# Altium PCB BitFury.PcbDoc (part 3 of 4)
Units mm, origin at the board's own origin, x right, y up, seen from the top; angles counter-clockwise.
Board outline 90.25 x 131.5 mm, 4 copper layers (Top Layer, Mid-Top Layer, Mid-Bottom Layer, Bottom Layer); 611 components, 148 nets, 2252 pads, 2038 vias.
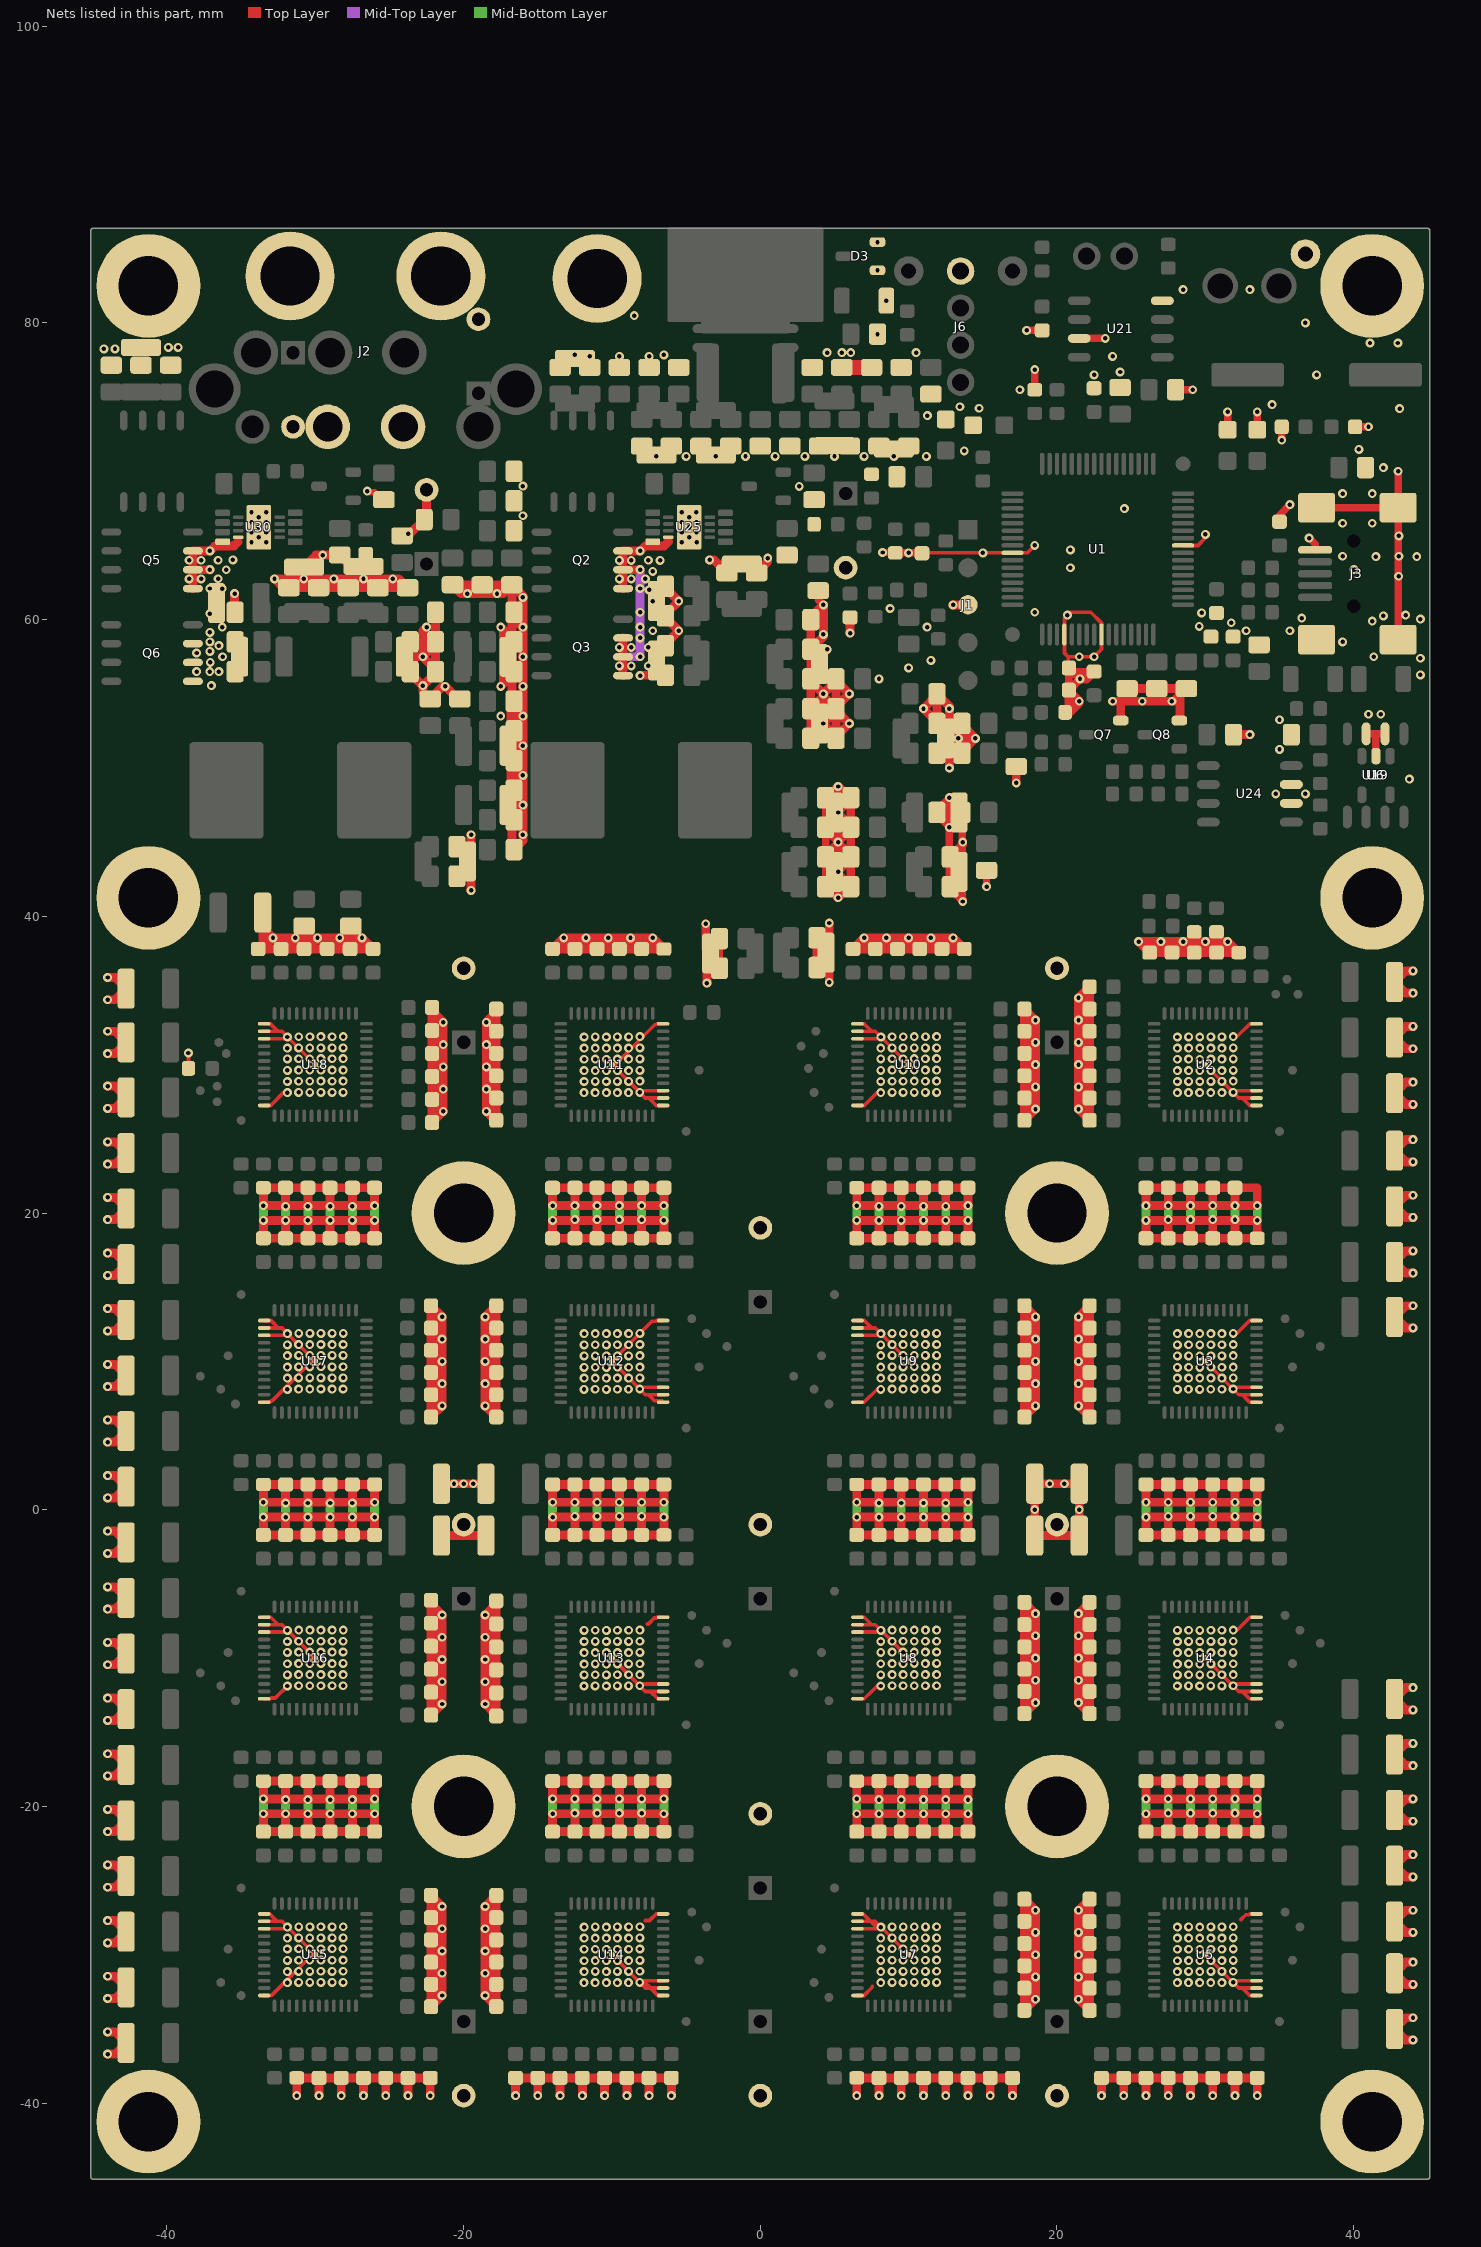
[diagram p5: the nets of this part, all layers, seen from the top]

## Via types
v1: diameter 0.6, hole 0.3, Top Layer to Bottom Layer, tented both sides, 1462 vias
v2: diameter 0.6, hole 0.3, Top Layer to Bottom Layer, 576 vias

## Nets (pads, with @x,y where several pads share a name; then routed paths per layer and width w, separated by ;. In a path a pad name is that pad's centre, name@x,y a point inside that pad or via, vN(x,y) a via of type N, cw(c..) or ccw(c..) an arc to the next point about the centre after c; other vN are vias at no path point) (continued)
GND: C2.2 C3.2 C4.2 C5.2 C6.2 C7.2 C8.2 C9.2 C11.2 C12.2 C13.1 C14.1 C15.1 C16.1 C17.2 C18.1 C19.1 C20.1 C21.1 C22.1 C23.1 C24.1 C25.1 C26.1 C27.1 C28.1 C29.1 C30.2 C32.2 C33.2 C34.2 C35.2 C36.2 C37.2 C39.2 C40.2 C41.2 C42.2 C43.2 C44.2 C46.2 C48.2 C49.2 C50.2 C51.2 C52.2 C53.2 C54.2 C55.2 C56.2 C57.2 C58.2 C60.2 C61.2 C62.2 C63.2 C64.2 C66.2 C67.2 C68.2 C69.2 C70.2 C71.2 C72.2 C73.2 C74.2 C75.2 C76.2 C77.2 C78.2 C79.2 C80.2 C81.2 C82.2 C83.2 C84.2 C85.2 C86.2 C87.2 C88.2 C89.2 C90.2 C91.2 C92.2 C93.2 C94.2 C95.2 C96.2 C97.2 C98.2 C100.2 C102.2 C103.2 C105.2 C106.2 C107.2 C108.2 C109.2 C110.2 C111.2 C112.2 C113.2 C114.2 C115.2 C116.2 C117.2 C118.2 C119.2 C120.2 C121.2 C122.2 C123.2 C124.2 C125.2 C126.2 C127.2 C128.2 C129.2 C130.2 C131.2 C132.2 C133.2 C134.2 C135.2 C136.2 C137.2 C138.2 C139.2 C140.2 C142.2 C144.2 C145.2 C146.2 C148.2 C149.2 C150.2 C152.2 C153.2 C154.2 C155.2 C156.2 C157.2 C158.2 C159.2 C160.2 C161.2 C162.2 C163.2 C164.2 C165.2 C166.2 C167.2 C169.2 C170.2 C171.2 C172.2 C173.2 C174.2 C175.2 C176.2 C177.2 C178.2 C179.2 C180.2 C181.2 C182.2 C183.2 C184.2 C185.2 C187.2 C188.1 C190.2 C191.2 C192.2 C193.2 C195.2 C196.2 C197.2 C198.2 C199.2 C200.2 C201.2 C202.2 C203.2 C204.2 C205.2 C206.1 C207.2 C208.2 C210.2 C211.2 C213.2 C214.2 C215.2 C216.2 C217.2 C218.2 C219.2 C220.2 C221.2 C222.2 C223.2 C224.2 C225.2 C226.2 C227.2 C228.2 C229.2 C231.2 C233.2 C234.2 C237.2 C238.2 C239.2 C240.2 C241.2 C242.2 C243.2 C244.2 C245.2 C246.2 C247.2 C248.2 C249.2 C250.2 C251.2 C252.2 C253.1 C254.1 C255.2 C256.2 C257.2 C258.2 C259.2 C260.2 C261.2 C262.2 C263.2 C264.2 C265.2 C266.2 C267.2 C268.2 C269.2 C270.2 C271.2 C272.2 C273.2 C274.2 C275.2 C276.2 C277.2 C278.2 C279.2 C280.2 C281.2 C282.2 C283.2 C284.2 C285.2 C286.2 C287.2 C288.2 C289.2 C290.2 C291.2 C292.2 C293.2 C294.2 C295.2 C296.2 C297.2 C298.2 C299.2 C300.2 C301.2 C302.2 C303.2 C304.2 C305.2 C306.2 C307.2 C308.1 C309.2 C311.2 C313.2 C314.2 C315.2 C316.2 C317.2 C318.2 C319.2 C320.2 C321.2 C322.2 C323.2 C324.2 C325.2 C326.2 C327.2 C328.2 C329.2 C330.2 C331.2 C332.2 C333.2 C334.2 C335.2 C336.2 C337.2 C338.2 C339.2 C340.2 C341.2 C342.2 C343.2 C344.2 C345.2 C346.2 C347.2 C348.2 C349.2 C351.2 C352.2 C353.2 C355.2 C356.2 C358.2 C359.2 C360.2 C361.2 C362.2 C363.2 C364.2 C365.2 C366.2 C367.2 C368.2 C369.2 C370.2 C371.2 C372.2 C373.2 C374.2 C375.2 C376.2 C377.2 C378.2 C379.2 C380.2 C381.2 C382.2 C383.2 C384.2 C385.2 C386.2 C387.2 C388.1 C389.1 C390.1 C391.1 C392.1 C393.1 C394.1 C395.1 C396.1 C397.1 C398.1 C399.1 C400.1 C401.1 C402.1 C403.1 C404.1 C405.1 C406.1 C407.1 C408.1 C409.1 C410.1 C411.1 C412.1 C413.1 C414.1 C415.1 C416.1 C417.1 C418.1 C419.1 C420.1 C421.1 C422.1 C423.1 C424.1 C427.1 C428.1 C429.1 C430.1 C431.1 C432.1 C433.1 C434.1 C435.1 C436.1 C439.1 C440.1 C441.1 C442.1 C443.1 C444.1 C445.1 C446.1 C447.1 C448.1 C449.1 C450.1 C451.1 C452.1 C453.1 C454.1 C455.1 C456.1 C457.1 C458.1 C459.1 C460.1 C461.1 C462.1 C463.1 C464.1 C465.1 C466.1 C467.1 C468.1 C469.1 C470.1 C471.1 C472.1 C475.1 C476.1 C477.1 C478.1 C479.1 C480.1 C481.1 C482.1 C483.1 C489.2 C491.2 C493.2 C494.2 C495.2 C501.2 C503.2 C504.2 C505.2 C506.2 C507.2 C508.2 C509.2 C510.2 C511.2 C512.2 C513.2 C514.2 C515.2 C516.2 C517.2 C518.2 C519.2 C520.2 C521.2 C522.2 C523.2 C524.2 C525.2 C526.2 C527.2 C528.2 C529.2 C530.2 C531.2 C532.2 C533.2 C534.2 C535.2 C536.2 D3.1 D3.2 D4.1 D5.1 D6.1 D7.1 J1.3 J2.2 J2.3 J3.5 J3.6 J3.7 J3.8 J3.9 J6.1 pad.0@20,20 pad.0@20,-20 pad.0@36.75,84.642 pad.0@41.25,41.25 pad.0@41.25,82.5 pad.0@41.25,-41.25 pad.0@-11,83 pad.0@-20,20 pad.0@-20,-20 pad.0@-41.25,41.25 pad.0@-41.25,82.5 pad.0@-41.25,-41.25 Q2.1 Q2.2 Q2.3 Q3.1 Q3.2 Q3.3 Q5.1 Q5.2 Q5.3 Q6.1 Q6.2 Q6.3 Q7.2 Q8.2 R4.1 R6.1 R14.1 R15.1 R17.2 R24.1 R25.1 R26.1 R27.1 R40.1 R45.1 R59.1 R60.1 R61.1 R79.1 R80.1 R81.1 R82.1 R103.1 R104.1 R105.1 R106.1 R127.1 R128.1 R129.1 R130.1 U1.9 U1.20 U1.25 U1.41 U2.1 U2.2 U2.3 U2.12 U2.49 U3.1 U3.2 U3.3 U3.12 U3.49 U4.1 U4.2 U4.3 U4.12 U4.49 U5.1 U5.2 U5.3 U5.12 U5.49 U6.2 U7.1 U7.2 U7.3 U7.12 U7.49 U8.1 U8.2 U8.3 U8.12 U8.49 U9.1 U9.2 U9.3 U9.12 U9.49 U10.1 U10.2 U10.3 U10.12 U10.49 U11.1 U11.2 U11.3 U11.12 U11.49 U12.1 U12.2 U12.3 U12.12 U12.49 U13.1 U13.2 U13.3 U13.12 U13.49 U14.1 U14.2 U14.3 U14.12 U14.49 U15.1 U15.2 U15.3 U15.12 U15.49 U16.1 U16.2 U16.3 U16.12 U16.49 U17.1 U17.2 U17.3 U17.12 U17.49 U18.1 U18.2 U18.3 U18.12 U18.49 U19.6 U19.7 U21.3 U21.8 U24.6 U24.7 U25.4 U25.9 U30.4 U30.9 | length 1825.1
  Top Layer w0.25: R17.2@-38.55,29.75 v1(-38.55,30.787) ; U15.12@-33.525,-32.75 -33.009,-32.75 -32.973,-32.714 -32.92,-32.714 -30.206,-30 U15.49@-30,-30 v2@-31.75,-28.25 ; U15.3@-33.525,-28.25 v2@-31.75,-28.25 ; U15.2@-33.525,-27.75 -32.25,-27.75 ; U15.1@-33.525,-27.25 -33.073,-27.25 -32.573,-27.75 -32.25,-27.75 ; U16.3@-33.525,-8.25 v2@-31.75,-8.25 ; U16.2@-33.525,-7.75 -32.25,-7.75 ; U16.1@-33.525,-7.25 -33,-7.25 -32.5,-7.75 -32.25,-7.75 ; U17.12@-33.525,7.25 -33.041,7.25 -32.939,7.352 -32.885,7.352 -30.237,10 U17.49@-30,10 v2@-31.75,11.75 ; U17.3@-33.525,11.75 v2@-31.75,11.75 ; U17.2@-33.525,12.25 -32.5,12.25 ; U18.3@-33.525,31.75 v2@-31.75,31.75 ; U18.2@-33.525,32.25 -32.515,32.25 ; U16.12@-33.45,-12.75 -33.023,-12.75 -32.973,-12.7 -32.695,-12.7 v2(-31.88,-11.885) ; U17.1@-33.45,12.75 -33,12.75 -32.993,12.757 -32.5,12.264 -32.5,12.25 ; U18.12@-33.45,27.25 -33.015,27.25 ; U18.1@-33.45,32.75 -33.015,32.75 -32.515,32.25 ; -32.939,27.31 -32.134,28.115 v2(-31.88,28.115) ; -30.237,-10 U16.49@-30,-10 v2@-31.75,-8.25 ; U18.49@-30,30 v2@-31.75,31.75 ; U14.49@-10,-30 v2@-8.25,-31.75 ; U13.49@-10,-10 v2@-8.25,-11.75 ; -7.75,-27.7 -7.464,-27.7 -7.014,-27.25 U14.12@-6.55,-27.25 ; -7.629,-7.7 -7.546,-7.7 -7.146,-7.3 -7.027,-7.3 -6.977,-7.25 U13.12@-6.55,-7.25 ; U14.1@-6.55,-32.75 -6.906,-32.75 -7.406,-32.25 ; U12.1@-6.55,7.25 -6.652,7.352 -7.146,7.352 -7.544,7.75 ; U12.12@-6.55,12.75 -6.977,12.75 -7.027,12.7 -7.3,12.7 U12.49@-10,10 v2@-8.25,8.25 ; U14.2@-6.475,-32.25 -7.406,-32.25 ; U14.3@-6.475,-31.75 U14.3@-6.55,-31.75 v2@-7.906,-31.75 ; U13.1@-6.475,-12.75 -6.905,-12.75 -7.405,-12.25 -7.75,-12.25 ; U13.2@-6.475,-12.25 -7.75,-12.25 ; U13.3@-6.475,-11.75 v2@-8.25,-11.75 ; U12.2@-6.475,7.75 -7.544,7.75 ; U12.3@-6.475,8.25 v2@-8.25,8.25 ; U11.1@-6.475,27.25 -7.011,27.25 -7.511,27.75 -7.75,27.75 ; U11.2@-6.475,27.75 -7.75,27.75 ; U11.3@-6.475,28.25 v2@-8.25,28.25 ; U11.12@-6.475,32.75 -6.987,32.75 -7.052,32.685 -7.111,32.685 -9.796,30 U11.49@-10,30 v2@-8.25,28.25 ; U7.3@6.475,-28.25 U7.3@6.55,-28.25 v2@8.25,-28.25 ; U7.2@6.475,-27.75 7.433,-27.75 ; U8.3@6.475,-8.25 v2@8.25,-8.25 ; U8.2@6.475,-7.75 7.75,-7.75 v2@8.25,-8.25 ; U9.3@6.475,11.75 v2@8.25,11.75 ; U9.2@6.475,12.25 7.75,12.25 v2@8.25,11.75 ; U10.3@6.475,31.75 v2@8.25,31.75 ; U10.2@6.475,32.25 7.75,32.25 v2@8.25,31.75 ; U8.12@6.549,-12.749 7.013,-12.749 v2@7.878,-11.885 ; U9.12@6.549,7.251 7.013,7.251 v2@7.878,8.115 ; U10.12@6.549,27.251 7.013,27.251 v2@7.878,28.115 ; U7.12@6.55,-32.75 6.986,-32.75 7.544,-32.193 7.544,-32.143 ; U7.1@6.55,-27.25 6.933,-27.25 7.433,-27.75 ; U8.12@6.55,-12.75 7.006,-12.75 7.506,-12.25 ; U8.1@6.55,-7.25 7.014,-7.25 7.513,-7.749 ; U9.1@6.55,12.75 7.014,12.75 7.513,12.251 ; U10.1@6.55,32.75 7.014,32.75 7.513,32.251 ; 7.703,-28.02 7.433,-27.75 ; R40.1@9.2,64.5 v1(10,64.5) v1(15,64.5) U1.9@17,64.5 18,64.5 v1(18.5,65) ; U7.49@10,-30 v2@8.25,-28.25 ; U8.49@10,-10 v2@8.25,-8.25 ; U9.49@10,10 v2@8.25,11.75 ; U10.49@10,30 v2@8.25,31.75 ; C251.2@20.75,56.5 20.75,57.5 ; U1.41@28.5,65 29.5,65 30,65.5 v1(30,65.75) ; U5.49@30,-30 v2@31.75,-31.75 ; U4.49@30,-10 v2@31.75,-11.75 ; U3.49@30,10 v2@31.75,8.25 ; U2.49@30,30 v2@31.75,28.25 ; v2(31.88,-8.115) 32.149,-8.115 33.014,-7.25 U4.12@33.45,-7.25 ; v2(31.88,11.885) 32.122,11.885 32.986,12.75 U3.12@33.45,12.75 ; v2@32.122,31.885 32.987,32.749 U2.12@33.451,32.749 ; 32.4,-27.62 32.72,-27.3 32.936,-27.3 32.986,-27.25 U5.12@33.45,-27.25 ; 32.487,27.749 32.986,27.25 U2.1@33.45,27.25 ; U3.1@33.449,7.251 32.986,7.251 32.486,7.75 ; U5.1@33.45,-32.75 33,-32.75 32.5,-32.25 ; U4.1@33.45,-12.75 33.449,-12.749 32.985,-12.749 32.486,-12.25 ; U5.2@33.525,-32.25 32.5,-32.25 ; U5.3@33.525,-31.75 v2@31.75,-31.75 ; U4.2@33.525,-12.25 32.486,-12.25 ; U4.3@33.525,-11.75 v2@31.75,-11.75 ; U3.2@33.525,7.75 32.486,7.75 ; U3.3@33.525,8.25 v2@31.75,8.25 ; U2.2@33.525,27.75 32.25,27.75 v2@31.75,28.25 ; U2.3@33.525,28.25 v2@31.75,28.25 ; -32.515,32.25 -32.25,32.25 v2@-31.75,31.75 ; -32.5,12.25 -32.25,12.25 v2@-31.75,11.75 ; -32.25,-27.75 v2@-31.75,-28.25 ; -32.25,-7.75 v2@-31.75,-8.25 ; C308.1@-25.775,68.486 -25.375,68.486 C308.1@-25.375,68.086 C308.1@-25.775,68.486 ; C308.1@-25.775,68.486 -26.318,68.486 v1(-26.5,68.668) -25.957,68.668 C308.1@-25.775,68.486 ; v2@-8.25,-31.75 v2@-7.906,-31.75 ; v2@-8.25,-31.75 -7.75,-32.25 -7.406,-32.25 ; v2@-8.25,-11.75 -7.75,-12.25 ; v2@-8.25,8.25 -7.75,7.75 -7.544,7.75 ; v2@-8.25,28.25 -7.75,27.75 ; v2@-7.906,-31.75 -7.406,-32.25 ; 7.433,-27.75 7.75,-27.75 v2@8.25,-28.25 ; 20.75,57.5 20.5,57.75 U1.20@20.5,59 20.5,60.1 20.9,60.5 22.272,60.5 23,59.772 U1.25@23,59 23,58 v1(22.5,57.5) 20.75,57.5 ; v2@31.75,-31.75 32.25,-32.25 32.5,-32.25 ; v2@31.75,-11.75 32.25,-12.25 32.486,-12.25 ; v2@31.75,8.25 32.25,7.75 32.486,7.75
  Top Layer w0.5: C321.2@-2.75,36.5 C298.2@-2.75,38.5 ; C233.2@3.9,61.95 3.9,61.35 v1(4.25,61) ; C299.2@4.4,42 4.4,42.15 C245.2@4.4,43.85 ; v1(8.25,64.527) 9.073,64.527 R40.1@9.1,64.5 C72.2@10.9,64.5 ; v1(13.65,41) v1@13.6,41.05 ; v1(15.25,42) C306.2@15.25,43.1 ; v1(17.95,79.5) C255.2@19,79.5 ; R45.1@18.5,75.5 v1(18.5,76.85) ; C251.2@20.75,56.5 C251.2@20.8,56.5 ; C325.2@20.8,55.5 C251.2@20.8,56.5 ; U21.3@21.5,78.96 v1(23.25,78.96) ; C73.2@22.5,56.5 21.05,56.5 C251.2@20.8,56.5 ; C17.2@27.8,75.5 v1(29.15,75.5) ; D7.1@31.5,72.8 v1(31.5,74) ; D6.1@33.5,72.8 v1(33.5,74) ; C254.1@35,66.6 35,67.05 v1(35.7,67.75) ; v1(35.15,72.1) C86.2@35.15,73 ; v1(37,65.5) 37.4,65.1 J3.5@37.4,64.7 ; J3.6@37.5,67.55 J3.7@43,67.55 ; C85.2@40.1,73 v1(41,73) ; U19.7@40.84,52.3 41.5,52.3 ; U6.2@41.5,50.8 41.5,52.3 ; U19.6@42.11,52.3 41.5,52.3 ; J3.8@43,58.65 J3.7@43,67.55 ; v1(43,70) J3.7@43,67.55 ; C245.2@4.4,43.85 v1(5.25,43) 6.1,43.85 C304.2@6.1,44 6.1,44.15 v1(5.25,45) ; C245.2@4.4,43.85 C245.2@4.4,44 C245.2@4.4,44.15 ; C245.2@4.4,44.15 C302.2@4.4,45.85 ; C245.2@4.4,44.15 v1(5.25,45) ; C302.2@4.4,45.85 C302.2@4.4,46 C302.2@4.4,46.15 ; C302.2@4.4,45.85 v1(5.25,45) ; C302.2@4.4,46.15 v1(5.25,47) ; C302.2@4.4,46.15 C288.2@4.4,47.85 ; C288.2@4.4,47.85 v1(5.25,47) ; C288.2@4.4,47.85 C288.2@4.4,48 5.15,48.75 v1(5.25,48.75) 5.35,48.75 C297.2@6.1,48 6.1,47.85 v1(5.25,47) ; v1(5.25,45) 6.1,45.85 C303.2@6.1,46 6.1,46.15 v1(5.25,47) ; v1(12.75,46) C363.2@13.6,46.85 ; v1(12.75,46) 11.9,46.85 C243.2@11.9,47 11.9,47.15 v1(12.75,48) ; v1(12.75,46) v1(12.75,48) ; v1(12.75,46) 12.75,41.9 v1@13.6,41.05 ; v1(12.75,48) 13.6,47.15 C322.2@13.6,47 C363.2@13.6,46.85 ; v1@13.6,41.05 13.6,41.2 13.6,44.8 C363.2@13.6,46.85